# Allegro board LAY-27392_C.brd (continued)
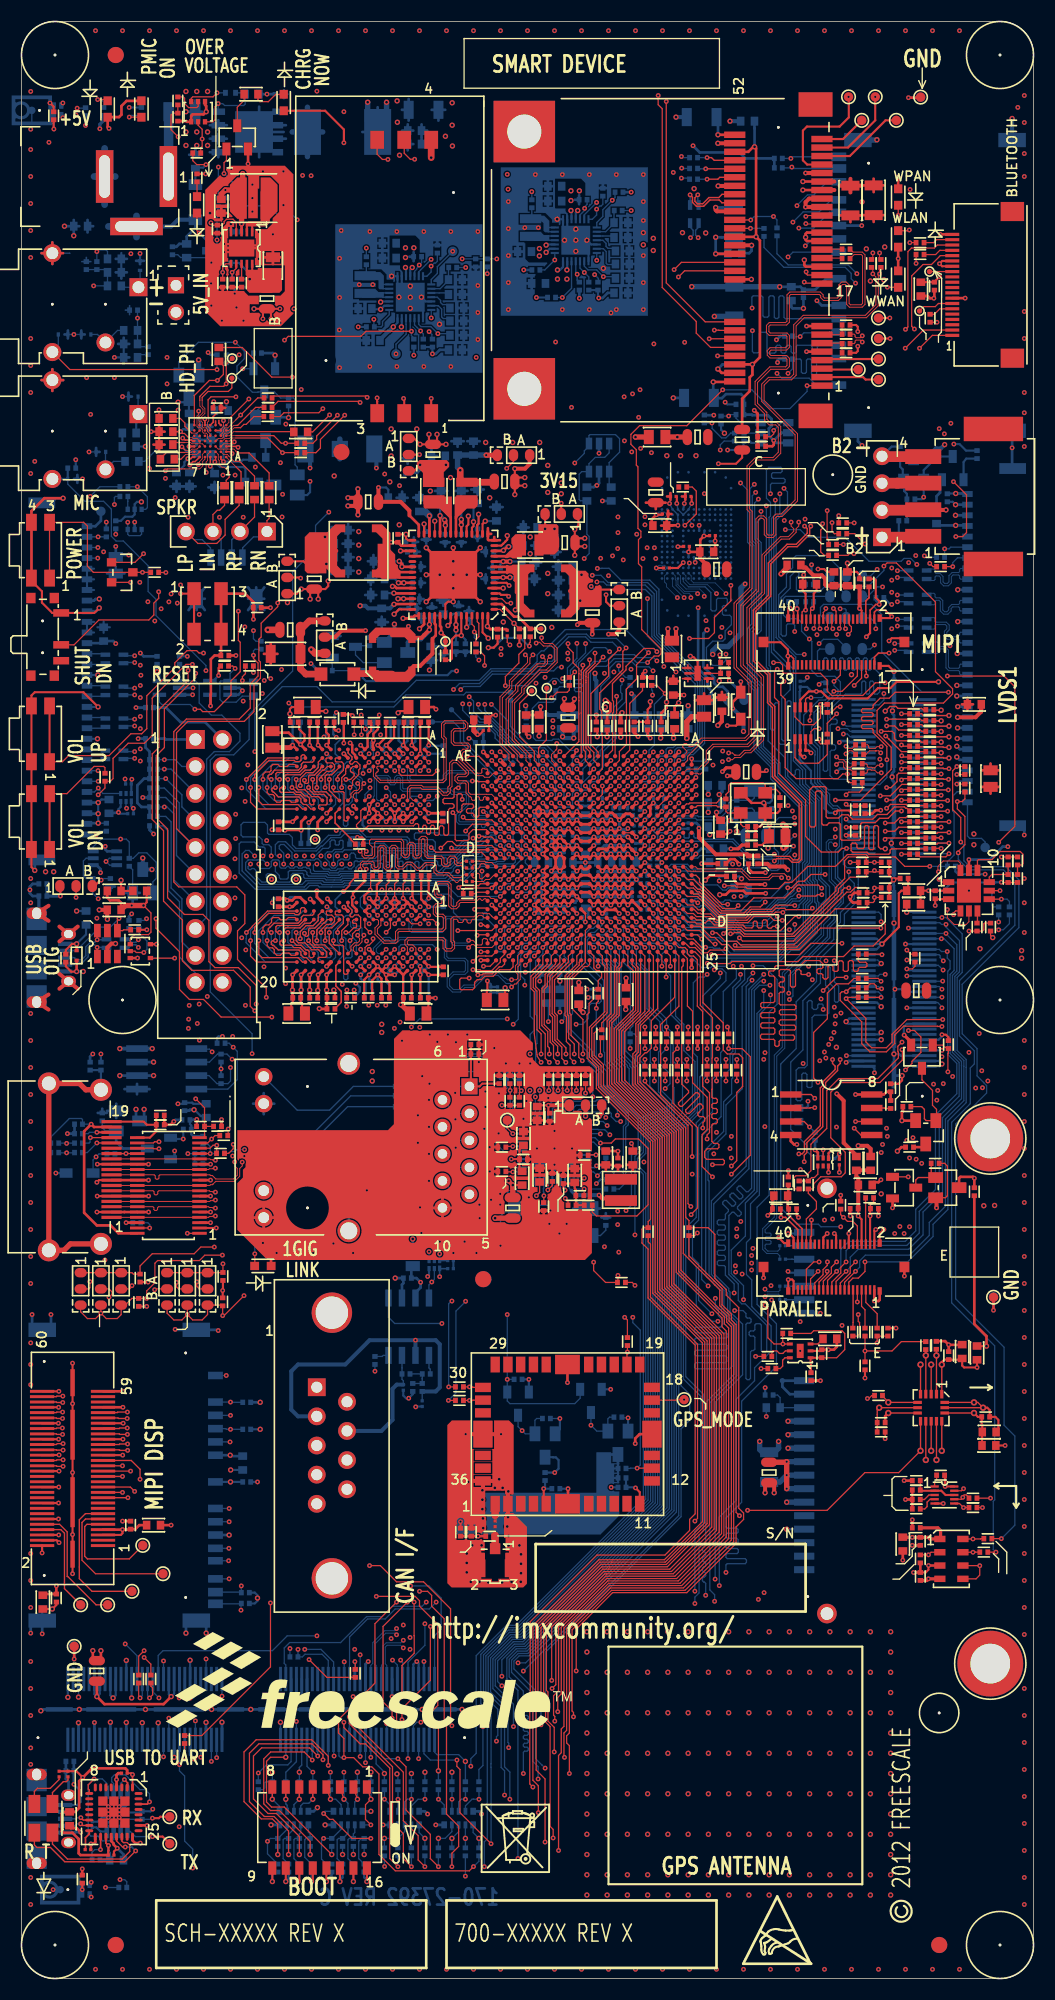
[diagram p0: board, top side]
## Routing (per net, layer and track width the routed paths; a pad name or vN(x,y) marks a point on that pad's centre or on a via; arc(x,y) is an arc through that point) (continued)
CSI_D1M: length 34
  TOP w0.094: J5.18 77.05,127.11 v1(76.96,127.02) ; U1.D1 v1(61.07,115.41)
  L6_INT_2 w0.097: v1(61.07,115.41) 60.88,115.41 60.76,115.54 60.76,115.8 60.96,116 61.51,116 61.98,116.46 61.98,117.27 61.93,117.32 61.44,117.32 61.19,117.57 61.19,117.92 61.44,118.17 62.52,118.17 62.75,117.94 62.75,117.62 62.85,117.53 63.04,117.53 63.14,117.62 63.14,117.94 63.37,118.17 64.58,118.17 65.24,117.5 66.58,117.5 66.8,117.72 66.8,117.73 67.18,118.11 68.6,118.11 68.83,117.88 68.83,117.6 68.93,117.5 69.12,117.5 69.22,117.6 69.22,117.88 69.45,118.11 69.83,118.11 70.06,117.88 70.06,117.6 70.16,117.5 70.35,117.5 70.45,117.6 70.45,117.88 70.68,118.11 72.26,118.11 73.77,119.62 74.06,119.62 74.93,120.49 75.66,120.49 75.84,120.67 75.84,122.29 76.38,122.82 76.38,123.07 76.28,123.17 75.28,123.17 75.03,123.41 75.03,123.76 75.28,124.01 76.28,124.01 76.38,124.11 76.38,124.71 77.14,125.47 77.14,125.65 76.89,125.91 76.89,126.06 77.14,126.31 77.14,126.84 v1(76.96,127.02)
CSI_D1P: length 34
  TOP w0.094: J5.16 77.45,127.09 v1(77.55,127) ; v1(61.07,114.61) U1.D2
  L6_INT_2 w0.097: v1(77.55,127) 77.37,126.82 77.37,125.37 76.61,124.61 76.61,124.01 76.38,123.78 75.37,123.78 75.26,123.67 75.26,123.51 75.37,123.39 76.38,123.39 76.61,123.16 76.61,122.73 76.07,122.19 76.07,120.58 75.75,120.26 75.03,120.26 74.16,119.39 73.86,119.39 72.35,117.88 70.77,117.88 70.67,117.78 70.67,117.5 70.44,117.27 70.06,117.27 69.83,117.5 69.83,117.78 69.73,117.88 69.54,117.88 69.45,117.78 69.45,117.5 69.22,117.27 68.83,117.27 68.6,117.5 68.6,117.78 68.51,117.88 67.28,117.88 67.03,117.63 67.03,117.63 66.67,117.27 65.15,117.27 64.49,117.94 63.46,117.94 63.37,117.84 63.37,117.53 63.14,117.3 62.76,117.3 62.52,117.53 62.52,117.84 62.43,117.94 61.53,117.94 61.42,117.82 61.42,117.66 61.53,117.55 62.02,117.55 62.2,117.37 62.2,116.37 61.46,115.62 61.46,115.46 61.45,115.45 61.45,115.25 61.07,114.87 v1(61.07,114.61)
CSI_I2C_EN: length 3.2
  TOP w0.119: U10.6 73.78,120.37 73.94,120.52 v1(74.3,120.52)
  BOTTOM w0.119: SH501.2 75.67,121.16 75.56,121.06 75.56,120.75 75.34,120.52 v1(74.3,120.52)
CSI_MCLK: length 91
  TOP w0.119: v1(82.85,87.4) 82.85,87.36 82.89,87.32 82.89,86.42 80.78,84.31 77.06,84.31 76.15,83.4 76.15,79.12 77.52,77.75 77.52,75.82 77.15,75.44 75.22,75.44 74.55,74.78 74.55,74.42 74.43,74.3 R159.1 74.04,73.89 74.8,73.12 74.8,72.42 73.85,71.47 J9.34 ; v1(87.12,122.55) 92.46,122.55 93.47,121.54 93.47,108.43 v1(91.95,106.91) ; J5.34 v1(73.85,127)
  L3_INT_1 w0.114: v1(87.12,122.55) 85.6,124.08 85.44,124.11 84.67,124.11 84.5,124.08 75.95,124.08 74.66,125.36 74.66,126.08 74.47,126.28 74.47,126.39 v1(73.85,127)
  L6_INT_2 w0.114: v1(91.95,106.91) 91.95,105.83 91.82,105.69 91.82,105.37 91.87,105.33 91.87,103.4 91.67,103.2 91.67,100.28 92.34,99.61 92.34,97.63 89.83,95.12 89.83,94.97 88.99,94.13 88.99,93.95 88.54,93.51 88.54,90.88 86.86,89.2 85.25,89.2 83.45,87.4 v1(82.85,87.4)
CSI_PIXCLK: length 3.6
  TOP w0.127: R180.2 78.25,61.74 J9.11
CSI_PWN: length 55.3
  TOP w0.119: v1(76.46,122.05) 77.05,122.64 J5.17
  TOP w0.178: U1.E19 v1(60.27,100.21)
  L6_INT_2 w0.114: v1(72.26,92.12) 71.26,92.12 71.09,91.95 69.84,91.95 68.2,93.6 63.37,93.6 60.68,96.29 60.68,99.72 60.27,100.13 v1(60.27,100.21)
  BOTTOM w0.119: v1(76.46,122.05) 76.46,121.66 76.84,121.28 76.84,120.95 76.61,120.72 76.43,120.72 75.57,119.87 75.57,119.72 75.35,119.49 74.93,119.49 74.58,119.14 74.58,118.02 74.35,117.78 74.35,116.26 74.91,115.7 74.91,112.57 76.05,111.43 76.05,110.67 76.38,110.34 76.78,110.34 77.19,109.93 77.19,106.44 76.81,106.05 76.81,103.64 77.34,103.11 77.34,101.21 76.69,100.57 76.69,99.55 76.06,98.92 76.06,97.93 72.59,94.46 72.59,92.45 v1(72.26,92.12)
CSI_REXT: length 2.6
  TOP w0.178: U1.D4 v1(61.07,113.01)
  BOTTOM w0.119: v1(61.07,113.01) 61.32,113.01 61.71,113.4 62.38,113.4 62.74,113.77 R605.1
CSI_RST_B: length 54.6
  TOP w0.119: J5.9 78.65,122.55 77.21,121.11 v1(76.45,121.11)
  TOP w0.178: U1.D20 v1(61.07,99.41)
  L6_INT_2 w0.114: v1(72.2,92.71) 71.54,92.71 71,92.17 69.93,92.17 68.29,93.81 63.46,93.81 61.48,95.8 61.48,98.75 61.07,99.16 v1(61.07,99.41)
  BOTTOM w0.119: v1(72.2,92.71) 72.2,94.38 75.84,98.02 75.84,99.01 76.47,99.64 76.47,100.66 77.12,101.3 77.12,103.02 76.59,103.54 76.59,106.14 76.97,106.53 76.97,109.84 76.74,110.07 76.34,110.07 75.83,110.58 75.83,111.34 74.65,112.51 74.65,115.12 74.68,115.15 74.68,115.48 73.61,116.55 73.61,118.87 75.03,120.29 75.63,120.29 76.16,120.82 76.16,120.82 v1(76.45,121.11)
CSI_SCL: length 9.8
  TOP w0.119: v1(75.06,117.6) 74.57,117.6 74.28,117.31 U10.4 ; J5.7 79.05,122.36 v1(78.36,121.67)
  L6_INT_2 w0.114: v1(75.06,117.6) 76.07,117.6 77.42,118.95 77.42,120.3 77.81,120.69 77.81,121.12 v1(78.36,121.67)
CSI_SDA: length 9.9
  TOP w0.119: U10.5 74.28,118.95 74.19,118.86 v1(74.19,118.36) ; v1(79.5,122.55) 79.5,122.94 79.45,122.98 J5.5
  L6_INT_2 w0.114: v1(79.5,122.55) 79,122.05 78.2,122.05 77.6,121.45 77.6,120.78 76.58,119.76 76.58,119.51 75.44,118.36 v1(74.19,118.36)
CSPI1_CLK: length 59
  TOP w0.119: U1.W5 v1(49.07,111.41)
  L3_INT_1 w0.114: v1(49.28,122.42) 49.55,122.15 49.55,121.92 50.27,121.2 50.27,120.34 49.61,119.68 49.61,117.5 49.99,117.12 v1(50.01,117.12)
  L6_INT_2 w0.114: v1(50.01,117.12) 50.44,116.7 50.44,116.7 50.67,116.47 50.67,116.46 51.06,116.07 51.06,114.95 51.85,114.16 51.85,113.65 51.63,113.42 51.31,113.42 51.05,113.17 51.05,112.85 50.83,112.62 50.51,112.62 50.25,112.37 50.25,112.05 50.03,111.82 49.59,111.82 49.18,111.41 v1(49.07,111.41) ; v1(49.28,122.42) 50.22,122.42 50.72,121.92 55.75,121.92 56.26,121.41 57.63,121.41 57.91,121.13 57.91,120.14 58.09,119.96 58.62,119.96 58.77,120.11 58.77,121.15 59.03,121.41 60.86,121.41 61.12,121.15 61.12,119.53 61.24,119.41 62.15,119.41 62.28,119.53 62.28,120.25 62.15,120.37 62.15,120.37 61.93,120.6 61.93,121.28 62.05,121.41 62.48,121.41 63.02,120.88 63.02,120.37 63.2,120.19 63.2,119.5 63.31,119.38 65.13,119.38 65.26,119.51 65.26,120.13 65.37,120.24 65.6,120.24 65.71,120.13 65.71,120.11 65.83,120 66.06,120 66.17,120.11 66.17,120.13 66.29,120.24 66.51,120.24 66.63,120.13 66.63,120.11 66.74,120 66.97,120 67.09,120.11 67.09,120.13 67.2,120.24 67.43,120.24 67.54,120.13 67.54,119.58 67.67,119.46 67.87,119.46 68,119.58 68,120.13 68.11,120.24 68.88,120.24 69.11,120.47 72.08,120.47 73.15,121.54 73.15,124.69 74.07,125.6 v1(75.06,125.6)
  BOTTOM w0.119: v1(75.06,125.6) 75.46,126.01 76.81,126.01 77.6,125.22 R590.2
CSPI1_CS0: length 60.4
  TOP w0.178: U1.U6 v1(50.67,111.41)
  L3_INT_1 w0.114: v1(50.01,118.36) 50.02,118.37 50.02,118.87 49.83,119.06 49.83,119.51 50.63,120.31 50.63,121.47 v1(50.16,121.94)
  L6_INT_2 w0.114: v1(50.01,118.36) 50.9,117.47 51.18,117.47 51.56,117.1 51.56,116.33 51.89,116 52.34,116 52.87,115.47 52.87,113.56 52.65,113.34 52.65,112.85 52.43,112.62 52.11,112.62 51.85,112.37 51.85,112.05 51.63,111.82 51.13,111.82 50.72,111.41 v1(50.67,111.41) ; v1(50.16,121.94) 50.16,121.93 50.38,121.71 55.58,121.71 58.19,119.1 68.05,119.1 69.19,120.25 70.68,120.25 70.68,120.25 72.24,120.25 73.37,121.37 73.37,124.29 v1(73.66,124.59)
  BOTTOM w0.119: R583.2 77.6,132.08 75.79,133.88 72.9,133.88 72.57,133.55 72.57,132.74 71.98,132.16 71.98,130.93 71.25,130.2 71.25,126.26 72.92,124.59 v1(73.66,124.59)
CSPI1_MISO: length 59
  TOP w0.178: U1.U7 v1(49.87,110.61)
  L6_INT_2 w0.114: v1(56.52,122.17) 56.93,122.17 57.06,122.05 62.61,122.05 63.98,120.68 68.64,120.68 68.91,120.94 71.92,120.94 72.64,121.67 72.64,124.82 72.54,124.92 72.07,124.92 71.96,125.03 71.96,125.18 72.07,125.29 72.89,125.29 73,125.4 73,125.55 72.89,125.66 72.07,125.66 71.96,125.77 71.96,125.92 72.07,126.03 72.61,126.03 72.76,126.18 v1(72.76,126.74)
  BOTTOM w0.119: v1(49.87,110.61) 50.26,110.22 51.63,110.22 51.86,110.45 51.86,111.55 52.13,111.82 52.52,111.82 52.68,111.98 52.68,112.37 52.91,112.6 52.91,112.6 53.47,113.16 53.47,114.05 54.46,115.04 54.46,115.54 55.75,116.84 55.75,119.63 56.52,120.4 56.52,120.88 56.39,121.01 56.39,121.62 56.52,121.74 v1(56.52,122.17) ; R584.2 77.6,130.18 76.86,130.91 75.54,130.91 75.06,130.43 73.2,130.43 72.92,130.71 72.92,131.8 73.15,132.03 73.15,132.23 72.99,132.4 72.81,132.4 72.34,131.93 72.34,130.81 71.48,129.95 71.48,126.47 71.63,126.31 71.86,126.31 71.98,126.44 71.98,127.33 72.11,127.46 72.64,127.46 72.76,127.33 v1(72.76,126.74)
CSPI1_MOSI: length 58.7
  TOP w0.178: U1.V6 v1(49.87,111.41)
  L3_INT_1 w0.114: v1(50.93,122.31) 51.59,121.65 51.59,119.76 51.46,119.63 50.35,119.63 50.22,119.51 50.22,119.25 50.35,119.13 51.41,119.13 51.59,118.95 51.59,117.47 51.47,117.35 51.3,117.35 51.17,117.47 51.17,118.37 51.05,118.49 50.83,118.49 50.71,118.36 50.71,117.85 50.58,117.73 v1(50.01,117.73)
  L6_INT_2 w0.114: v1(50.93,122.31) 51.1,122.14 55.91,122.14 56.39,121.67 57.07,121.67 57.24,121.83 57.53,121.83 57.7,121.67 57.99,121.67 58.15,121.83 58.44,121.83 58.61,121.67 58.9,121.67 59.07,121.83 59.36,121.83 59.52,121.67 59.82,121.67 59.98,121.83 60.27,121.83 60.44,121.67 60.73,121.67 60.9,121.83 61.19,121.83 61.35,121.67 62.61,121.67 63.82,120.46 68.79,120.46 69.02,120.68 71.99,120.68 72.9,121.59 72.9,124.79 73.36,125.25 73.36,127.13 73.2,127.28 72.54,127.28 72.42,127.41 72.42,127.58 72.54,127.71 74.24,127.71 74.78,128.25 76.86,128.25 77.04,128.43 v1(77.04,128.88) ; v1(49.87,111.41) 49.94,111.41 50.35,111.82 50.83,111.82 51.05,112.05 51.05,112.37 51.31,112.62 51.63,112.62 51.85,112.85 51.85,113.17 52.11,113.42 52.43,113.42 52.65,113.65 52.65,114.77 52.29,115.14 52.11,115.14 51.34,115.9 51.34,117.01 51.1,117.25 50.49,117.25 v1(50.01,117.73)
  BOTTOM w0.119: v1(77.04,128.88) 77.49,128.88 77.6,128.77 R586.2
DACDAT1: length 7.3
  TOP w0.076: U7.D1 19.6,144.65 19.89,144.95 20.19,144.95
  TOP w0.119: R18.2 v1(24.57,143.56) 23.19,144.95 20.19,144.95
DBG_OUT_3V3: length 1.9
  TOP w0.171: C126.1 6.04,12.18 6.04,13.27 6.39,13.62 U22.16
DBG_RXLED: length 4.2
  TOP w0.127: D12.1 1.24,17.62 1.53,17.91 2.73,17.91 3.56,18.74 R206.2
DBG_TXLED: length 3.3
  TOP w0.127: D12.3 2.93,17.52 3.96,18.54 4.24,18.54 4.4,18.7 R207.2
DBUG_5V: length 25.9
  TOP w0.171: U22.1 v1(10.47,19.2) 10.33,19.34 C125.1 ; v1(8.2,12.53) 7.96,12.77 U22.19
  TOP w0.203: v1(5.79,18.93) 5.19,19.53 R207.1 R206.1 ; v1(8.2,12.53) 8.2,12.05 8.19,12.04 C127.1
  TOP w0.254: C125.1 9.96,19.62 9.8,19.79 6.64,19.79 v1(5.79,18.93) 5.44,18.59 5.44,16.07 5.07,15.7 L24.1 4.53,15.68 3.94,15.68 3.81,15.55 3.81,13.85 3.94,13.73 4.82,13.73 5.4,13.14 5.4,11.8 5.57,11.63 C127.1
  BOTTOM w0.254: C768.1 8.32,11.83 8.2,11.95 v1(8.2,12.53)
  BOTTOM w0.305: R711.1 8.29,11.18 C768.1
DBUG_RST: length 2.8
  TOP w0.171: v1(7.45,12.15) 7.46,12.16 U22.18
  BOTTOM w0.119: R711.2 6.66,11.62 6.65,11.63 6.65,11.89 6.92,12.15 v1(7.45,12.15)
DBUG_SHL_GND: length 14.9
  L6_INT_2 w0.381: J509.S3 J509.S1 J509.S2 J509.S4
  BOTTOM w0.254: J509.S2 4.45,17.27 4.45,18.54 4.2,18.79 R677.1 C766.1
DBUG_USB_DM: length 2.4
  TOP w0.135: U22.15 5.72,14.43 v1(5.58,14.57)
  BOTTOM w0.135: v1(5.58,14.57) 5.2,14.57 5.03,14.39 J509.2
DBUG_USB_DP: length 2.4
  TOP w0.135: v1(5.61,15.15) 5.61,15.15 5.83,14.93 U22.14
  BOTTOM w0.135: v1(5.61,15.15) 5.24,15.15 5.13,15.04 J509.3
DBUG_VBUS: length 2.8
  TOP w0.254: L24.2 4.54,14.3 4.67,14.17 5.21,14.17 v1(5.59,13.79)
  BOTTOM w0.254: J509.1 4.99,13.74 5.03,13.79 v1(5.59,13.79)
DDR_1V5: length 194.9
  TOP w0.119: v1(32.73,109.65) 32.33,109.24 U3.H9
  TOP w0.127: v1(34.33,101.64) 34.33,102.88 34.58,103.13 C57.1 ; C58.1 36.1,103.17 35.92,103 v1(35.92,101.65)
  TOP w0.203: v1(43.85,93.87) 43.85,93.03 43.8,92.98 C77.1 ; C35.1 28.09,119.25 28.65,119.25 v2(28.65,119.23) ; SH12.1 25.91,130.3 v2(26.34,130.73) R25.2 ; v1(26.33,108.04) v1(24.82,108.04) ; C78.1 26.42,91.08 26.42,91.69 26.29,91.82 C70.1 ; v1(42.93,117.05) 43.14,117.05 43.46,117.37 C48.1 ; R25.2 27.18,130.35 v2(27.18,129.79) ; R25.2 28.6,130.73 28.88,131.01 v2(28.88,131.5) ; R25.2 27.94,130.35 v2(27.94,129.79)
  TOP w0.216: v1(29.85,117.43) 29.56,117.43 29.43,117.55 C43.1 ; v1(33.53,116.05) 33.55,116.05 34.32,116.82 C45.1 ; C73.1 33.01,93.93 v1(33.53,94.44) 33.89,94.08 C74.1 ; v1(37.53,94.44) 37.55,94.42 C76.1 ; C41.1 26.14,118.13 26.14,117.55 26.65,117.04 26.65,116.48 v1(26.27,116.1) ; v1(30.35,116.24) 30.35,118.07 C37.1 ; C44.1 37.53,118.17 v1(37.53,115.25) ; C53.1 24.32,108.04 v1(24.82,108.04) ; v1(38.33,95.24) 38.38,95.19 C67.1 ; C42.1 27.88,116.09 v1(27.93,116.04) ; 35.93,94.44 35.93,92.37 C75.1 35.98,92.24 35.98,91.97 35.69,91.68 v2(35.69,91.63) ; U2.A1 37.62,101.55 37.62,102.58 C59.1 ; v1(35.93,116.05) 36,116.11 C46.1
  TOP w0.229: v1(32.73,109.65) 32.73,109.88 32.73,109.88 32.73,110.21 32.73,110.21 v1(32.73,110.45) ; v1(37.53,94.44) v1(37.53,95.24)
  TOP w0.254: v1(32.73,100.84) U2.H2 v1(32.73,100.04) ; v1(37.53,115.25) 37.13,114.84 U3.B2 ; U2.G7 v1(32.73,96.84) ; U1.R18 v1(51.47,101.01) U1.T18 v1(50.67,101.01) U1.U18 v1(49.87,101.01) U1.V18 ; C49.1 23.64,117.35 23.9,117.35 24.03,117.22 25.15,117.22 v1(26.27,116.1) U3.R1 ; v1(26.33,108.04) 26.33,108.84 U3.R9 ; U3.G7 33.13,110.84 v1(32.73,110.45) ; U2.A8 v1(38.33,95.24) ; U8.30 35.74,134.82 C24.1 v1(34.8,135.13) ; U3.N1 v1(27.93,116.04) ; U3.A8 37.93,110.05 v1(38.33,109.65) 39.66,109.65 C52.1 ; 35.53,109.24 v1(35.93,109.65) 36.33,109.25 U3.C9 ; 35.53,109.24 U3.D9 ; 35.53,109.24 35.54,109.24 v1(35.93,108.85) 36.33,109.24 U3.C9 ; U3.C1 36.33,115.65 v1(35.93,116.05) ; U2.H9 v1(31.93,95.24) ; v1(49.07,109.01) 49.47,108.61 U1.V9 v1(49.07,108.21) U1.V10 v1(49.07,107.41) U1.V11 v1(49.07,106.61) U1.V12 v1(49.07,105.81) U1.V13 ; U3.A1 37.94,115.64 v1(38.33,115.25) ; v1(30.35,115.24) 30.45,115.14 30.45,115.12 U3.K2 ; U3.C9 36.33,109.24 v1(36.73,109.65) ; C70.1 26.33,92.32 v2(26.33,93.01) v1(26.33,94.44) U2.R9 ; v1(27.81,102.34) 27.81,101.76 U2.N1 ; U2.K8 v1(31.13,95.24) ; v1(38.33,100.84) U2.A1 ; U2.R1 26.24,101.73 25.78,101.73 25.5,101.45 v1(25.01,101.45) 24.86,101.6 C64.1 ; v1(49.07,101.01) U1.V18 ; U1.V18 v1(49.07,101.81) 49.47,102.21 U1.V17 v1(49.07,102.61) U1.V16 v1(49.07,103.41) U1.V15 v1(49.07,104.21) U1.V14 ; U2.N9 v1(27.93,94.44) 27.93,93.01 v2(27.89,92.98) C71.1 ; v1(33.53,116.05) 33.93,115.65 U3.F1 ; v1(39.01,119.43) 38.81,119.63 C36.1 ; U2.E9 v1(35.13,95.24) U2.D9 35.93,94.44 U2.C9 ; v1(30.35,100.82) 30.72,100.44 U2.K2 ; v1(27.89,108.08) 27.89,108.81 U3.N9 ; U2.C1 v1(35.92,101.65) ; U2.C1 v1(36.73,100.84) U2.B2 ; U2.C1 35.93,100.84 v1(35.93,100.84) U2.D2 ; v1(34.33,108.85) 34.73,109.24 U3.E9 ; U3.K8 v1(31.13,109.64) ; U3.H2 31.93,115.24 v1(31.92,115.24) ; U3.D2 35.53,114.85 v1(35.13,115.25) ; U2.F1 v1(34.33,101.64)
  TOP w0.457: v2(35.69,91.63) 35.75,91.63 36.56,90.82 C79.1 ; C38.1 42.57,117.41 v1(42.93,117.05)
  L3_INT_1 w0.508: v2(27.94,129.79) 28.88,130.73 v2(28.88,131.5) 28.88,132.13 30.99,134.24 33.91,134.24 v1(34.8,135.13)
  L3_INT_1 w0.635: v2(27.94,129.79) v2(27.18,129.79)
  L6_INT_2 w0.254: v1(31.47,93.65) 31.13,93.99 v1(31.13,95.24) ; v1(30.35,115.24) v1(30.35,116.24)
  BOTTOM w0.119: U5.H2 32.33,110.04 ; 32.33,110.04 32.34,110.04 v1(32.73,109.65) ; 32.33,110.04 v1(32.73,110.45) ; v1(35.93,100.84) U4.D9 35.53,101.26 v1(35.92,101.65) 36.33,101.24 U2.C1 ; C71.1 v2(27.89,92.98)
  BOTTOM w0.203: 37.93,114.84 v1(38.33,115.25) 39.7,115.25 C620.1 ; U3.R9 26.33,108.84 v1(26.33,108.04) 26.33,106.83 C666.1 ; C727.1 C728.1 44.17,93.55 v1(43.85,93.87)
  BOTTOM w0.216: C733.1 33.91,92.36 33.91,93.6 33.53,93.98 v1(33.53,94.44) ; v2(35.69,91.63) 35.69,91.7 35.98,91.99 35.98,92.24 C75.1 35.93,92.37 35.93,94.44 U2.C9 ; C76.1 37.53,92.37 v1(37.53,94.44) ; v1(31.47,93.65) 31.85,93.27 31.85,92.86 31.36,92.37 C737.1 ; v1(38.33,100.84) C718.1 ; C613.1 27.93,118.12 v1(27.93,116.04) ; C614.1 v1(26.27,116.1) ; C617.1 32.46,118.09 32.46,117.65 v1(32.38,117.57) ; C615.1 36.33,116.44 v1(35.93,116.05) 35.5,116.48 C616.1
  BOTTOM w0.254: 48.93,108.61 48.93,108.88 v1(49.07,109.01) ; 48.93,108.61 48.93,108.34 v1(49.07,108.21) 48.93,108.08 48.93,107.81 ; 48.93,108.61 C650.1 ; U2.K8 v1(31.13,95.24) ; C675.1 48.93,106.21 ; 48.93,106.21 48.93,106.48 v1(49.07,106.61) ; 48.93,106.21 48.93,105.94 v1(49.07,105.81) 49.6,105.28 C683.1 49.6,104.74 v1(49.07,104.21) v1(49.07,103.41) 48.93,103.28 48.93,103.01 ; C708.1 48.93,102.21 ; 48.93,102.21 48.93,102.48 v1(49.07,102.61) 48.93,102.74 48.93,103.01 ; 48.93,102.21 48.93,101.94 v1(49.07,101.81) 48.93,101.68 48.93,101.41 ; v1(49.07,107.41) 48.93,107.54 48.93,107.81 ; v1(49.07,107.41) 49.39,107.09 C664.1 49.39,106.93 v1(49.07,106.61) ; v1(49.07,107.41) 48.93,107.28 C665.1 48.93,106.74 v1(49.07,106.61) ; U5.A1 37.93,109.24 v1(38.33,109.65) 39.58,109.65 C647.1 ; 48.93,103.01 C696.1 ; U2.K2 30.72,100.44 v1(30.35,100.82) ; U3.K8 v1(31.13,109.64) ; 48.93,107.81 C662.1 ; 48.93,101.41 C715.1 ; 48.93,101.41 48.93,101.14 49.2,100.88 C722.1 49.73,100.88 v1(49.87,101.01) 50,100.88 C721.1 50.53,100.88 v1(50.67,101.01) 50.8,100.88 C720.1 51.33,100.88 v1(51.47,101.01) ; U4.H2 v1(31.93,95.24) ; v1(34.33,108.85) 33.94,109.24 U5.F1 ; v1(27.89,108.08) 27.89,108.81 U3.N9 ; U5.A8 37.93,114.85 v1(37.53,115.25) ; v1(42.93,117.05) 42.94,117.06 42.94,117.47 43.05,117.59 C619.1 ; U4.E9 v1(34.33,101.64) ; U4.A1 v1(37.53,95.24) U4.B2 ; U4.A1 v1(37.53,94.44) ; U4.A1 v1(38.33,95.24) ; v1(32.73,113.65) 33.13,114.04 U5.G7 ; U3.C9 36.33,109.24 v1(35.93,108.85) ; U3.C9 36.33,109.25 v1(35.93,109.65) 35.54,110.04 U5.D2 ; U3.C9 36.33,109.24 v1(36.73,109.65) 37.13,110.04 U5.B2 ; v1(31.92,115.24) 32.32,115.64 U5.H9 32.33,115.64 32.56,115.87 32.56,117.38 v1(32.38,117.57) ; v1(35.93,100.84) U2.C1 v1(36.73,100.84) ; v1(27.81,102.34) 27.81,101.76 U2.N1 ; U4.G7 v1(32.73,100.04) ; v1(32.73,100.84) U4.H9 ; U4.F1 v1(33.53,94.44) ; v1(25.01,101.45) 25.31,101.74 26.23,101.74 U2.R1 ; U4.A8 v1(38.33,100.84) ; v1(30.35,115.24) 30.75,114.84 U3.K2 ; C70.1 26.33,92.32 v2(26.33,93.01) ; v1(26.27,116.1) U3.R1 ; v1(35.13,95.24) U4.D2 ; v1(27.93,116.04) U3.N1
  BOTTOM w0.305: U3.C1 36.33,115.65 v1(35.93,116.05) 35.53,115.64 U5.D9 35.53,115.64 v1(35.13,115.25) 34.74,115.64 U5.E9 ; v2(26.33,93.01) v1(26.33,94.44) U2.R9 ; U2.N9 v1(27.93,94.44)
DDR_FB: length 12.4
  TOP w0.203: v1(26.28,131.76) 26.37,131.76 26.37,131.78 26.31,131.83 25.02,131.83
  TOP w0.254: v2(34.92,130.99) 34.94,131 35.12,131 35.3,130.82 U8.38
  L6_INT_2 w0.203: v1(26.28,131.76) 27.42,131.76 28.19,130.99 v2(34.92,130.99)
DDR_SDCLK0: length 2.5
  TOP w0.094: U1.AD15 44.45,103.81 44.05,103.41 43.69,103.41 43.5,103.23 SH21.1
DDR_SDCLK0_B: length 2.5
  TOP w0.094: SH20.1 42.43,103.66 42.53,103.56 42.73,103.56 42.81,103.64 42.81,103.89 42.9,103.99 43.02,103.99 43.13,103.87 43.13,103.56 43.21,103.48 43.36,103.48 43.69,103.81 U1.AE15
DDR_SDCLK1: length 2.5
  TOP w0.094: U1.AD14 44.27,105.01 43.7,105.01 43.58,105.13 43.13,105.13 43.1,105.16 42.82,105.16 42.8,105.13 SH18.1
DDR_SDCLK1_B: length 2.3
  TOP w0.094: U1.AE14 43.84,104.61 43.63,104.81 43.62,104.81 43.53,104.9 43.28,104.9 43.15,104.77 43.15,104.59 42.99,104.42 42.85,104.42 42.8,104.47 42.8,104.67 42.69,104.77 42.54,104.77 42.43,104.67 SH19.1
DDR_VREF: length 20.1
  TOP w0.119: v1(32.83,102.43) 32.87,102.46 32.87,103.58 C56.1
  TOP w0.203: v1(32.83,102.43) 32.69,102.29 32.69,102.28 32.42,102.01 32.42,102.01 32.27,101.87 32.27,101.3 U2.H1 ; U3.H1 v1(31.93,116.04)
  TOP w0.216: v2(29.4,93) 29.4,92.9 29.51,92.79 C72.1 ; U3.H1 32.59,115.9 32.59,117.07 32.91,117.4 32.91,117.88 32.91,117.88 32.91,118.09 C47.1
  TOP w0.254: U3.M8 v1(28.73,109.64) ; U8.31 v2(35.68,134.32)
  TOP w0.381: U2.M8 v1(28.73,95.24) ; U1.AC2 v1(45.07,114.61)
  BOTTOM w0.203: C570.1 36.24,134.32 v2(35.68,134.32) ; v1(32.84,108.03) 32.62,108.03 32.11,108.54 32.11,109.02 U5.H1
  BOTTOM w0.216: C618.1 28.71,117.05 v1(28.47,116.81) ; v1(31.93,94.44) 31.93,94.08 32.39,93.62 32.39,92.64 32.28,92.53 C734.1 ; v1(23.59,108.09) 23.6,108.08 C653.1 ; v1(23.61,101.22) 23.62,101.5 23.71,101.6 C717.1 ; C621.1 45.4,114.61 v1(45.07,114.61)
  BOTTOM w0.254: U5.M8 v1(28.73,115.24) ; U4.H1 v1(31.93,94.44)
  BOTTOM w0.305: U4.M8 v1(28.75,100.84)
DEC_3V3: length 4.3
  TOP w0.119: R197.2 C113.1
  TOP w0.203: C113.1 84.64,45.91 U20.2 86.55,45.91 86.95,45.51 U20.8
DEC_SCK: length 1.8
  TOP w0.119: R198.2 89.15,45.21 89.03,45.34 89.03,45.39 88.9,45.52 88.7,45.52 88.58,45.39 v1(88.58,45.29) 88.58,45.24 88.45,45.11 U20.7
DEC_SDA: length 1.5
  TOP w0.119: U20.6 88.26,44.71 v1(88.65,44.32) R200.2
DI0_D0_CS: length 81.2
  TOP w0.127: R132.1 v1(59.56,84.45)
  L3_INT_1 w0.114: v1(77.34,117.09) 77.32,117.12 77.32,117.53 79.81,120.02 82.8,120.02 86.13,116.69 86.13,116.17 86.37,115.93 86.6,115.93 87.1,115.43 88.66,115.43 89.03,115.06 89.03,106.3 89.56,105.77 89.56,100.43 87.76,98.63 87.76,98.3 86.92,97.46 86.77,97.46 85.79,96.48 85.79,85.15 v1(86.74,84.2)
  L6_INT_2 w0.114: v1(59.56,84.45) 59.56,83.74 60.2,83.11 70.54,83.11 71.37,83.94 75.05,83.94 76.21,82.78 82.04,82.78 83.89,84.63 85.9,84.63 86.33,84.2 v1(86.74,84.2)
  BOTTOM w0.127: J504.105 77.98,116.84 77.72,117.09 v1(77.34,117.09)
DI0_D1_CS: length 80.3
  TOP w0.119: R122.1 v1(59.69,87.5)
  L3_INT_1 w0.114: v1(86.61,86.74) 86.01,87.34 86.01,96.08 88.56,98.63 88.56,98.81 90.04,100.29 90.04,105.59 90.35,105.89 90.35,116.28 88.38,118.25 87.28,118.25 86.6,118.93 86.37,118.93 84.84,120.45 79.04,120.45 76.83,118.24 v1(76.83,117.6)
  L6_INT_2 w0.114: v1(86.61,86.74) 84.66,86.74 84.24,86.32 82.68,86.32 82.25,85.89 79.39,85.89 78.88,85.38 69.18,85.38 67.56,86.99 65.48,86.99 64.97,87.5 64.97,87.66 64.74,87.89 60.08,87.89 v1(59.69,87.5)
  BOTTOM w0.119: J504.107 77.99,117.34 77.72,117.6 v1(76.83,117.6)
DI0_PIN2: length 93.2
  TOP w0.119: U1.N25 53.47,95.42 53.27,95.23 52.98,95.23 51.82,94.06 51.82,91.26 52.84,90.24 v1(52.84,86.99)
  TOP w0.127: R41.1 v1(82.8,119)
  L3_INT_1 w0.114: v1(85.83,84.16) 85.4,84.58 85.4,84.93 85.36,84.97 85.36,96.73 85.95,97.33 85.95,98.17 86.59,98.81 86.59,99.29 86.49,99.39 86.08,99.39 85.95,99.52 85.95,100.09 86.58,100.71 86.58,100.76 86.59,100.76 86.59,100.99 86.74,101.14 87.1,101.14 87.22,101.27 87.22,101.85 87.35,101.98 87.68,101.98 87.81,101.85 87.81,101.22 87.59,101 87.59,100.85 87.72,100.72 87.92,100.72 88.19,100.99 88.19,102.29 88.07,102.4 87.78,102.4 87.66,102.52 87.66,102.74 87.78,102.86 88.14,102.86 88.27,102.99 88.27,103.19 88.14,103.32 87.78,103.32 87.66,103.43 87.66,103.66 87.78,103.77 88.14,103.77 88.27,103.9 88.27,104.1 88.14,104.23 87.78,104.23 87.66,104.34 87.66,104.79 87.66,104.81 87.78,104.92 88.14,104.92 88.27,105.05 88.27,105.25 88.14,105.38 87.78,105.38 87.66,105.49 87.66,106 87.21,106.45 87.11,106.45 86.78,106.78 85.85,106.78 85.69,106.94 85.69,116.11 v1(82.8,119)
  L6_INT_2 w0.114: v1(52.84,86.99) 53.66,86.99 54.07,86.58 55.63,85.02 57.5,85.02 59.63,82.89 70.7,82.89 71.53,83.72 74.96,83.72 76.12,82.56 82.13,82.56 83.98,84.42 85.33,84.42 85.58,84.16 v1(85.83,84.16)
DI0_PIN3: length 94.7
  TOP w0.119: U1.N20 v1(53.87,99.41)
  TOP w0.127: R44.1 v1(82.8,117.98)
  L3_INT_1 w0.114: v1(80.77,114.73) 80.35,114.31 80.35,113.96 78.46,112.06 78.46,101.53 77.13,100.2 77.13,100.2 74.46,97.53 74.46,94.02 v1(74.42,93.98)
  L6_INT_2 w0.114: v1(74.42,93.98) 74.12,93.98 73.38,93.24 73.38,91.78 72.69,91.09 69.25,91.09 67.82,92.51 62.76,92.51 61.85,93.41 60.2,93.41 59.82,93.79 59.82,94.35 59.36,94.81 59.36,95.35 59.03,95.68 55.45,95.68 54.28,96.85 54.28,96.93 54.25,96.95 54.25,97.97 53.87,98.36 v1(53.87,99.41) ; v1(80.77,114.73) 80.16,114.73 79.96,114.94 79.96,119.89 80.47,120.4 81.53,120.4 81.71,120.57 81.71,122.2 81.94,122.43 83.74,122.43 84.1,122.07 84.1,116.54 84.28,116.36 85.24,116.36 85.37,116.48 85.37,116.73 85.26,116.84 84.62,116.84 84.51,116.95 84.51,117.18 84.62,117.3 85.26,117.3 85.37,117.41 85.37,117.64 85.26,117.75 84.62,117.75 84.51,117.87 84.51,118.1 84.62,118.21 85.26,118.21 85.37,118.33 85.37,118.55 85.26,118.67 84.62,118.67 84.51,118.78 84.51,119.01 84.62,119.13 85.26,119.13 85.37,119.24 85.37,120.5 85.5,120.62 85.72,120.62 85.85,120.5 85.85,116.2 85.68,116.03 83.84,116.03 83.67,116.2 83.67,120.29 83.54,120.42 83.36,120.42 83.24,120.29 83.24,118.08 83.13,117.98 v1(82.8,117.98)
DI0_PIN4: length 91.3
  TOP w0.119: U1.P25 52.49,95.63 52.49,95.36 51.37,94.24 51.37,90.72 51.5,90.6 51.5,88.45 52.02,87.93 v1(52.02,86.99)
  TOP w0.127: R42.1 84.71,118.36 84.58,118.49 v1(81.41,118.49)
  L3_INT_1 w0.114: v1(81.41,118.49) 82.93,118.49 85.47,115.95 85.47,107.82 85.48,107.82 85.48,106.85 87.45,104.88 87.45,102.4 86.37,101.32 86.37,100.8 85.72,100.16 85.72,97.44 85.14,96.86 85.14,84.88 85.19,84.84 85.19,84.1 85.72,83.56 85.72,83.5 86.13,83.09 v1(86.13,82.65)
  L6_INT_2 w0.114: v1(86.13,82.65) 85.55,82.07 84.51,82.07 84.44,82.13 75.94,82.13 74.78,83.29 71.79,83.29 70.96,82.46 59.45,82.46 57.32,84.59 55.45,84.59 54.06,85.97 52.62,85.97 52.39,86.2 52.39,86.62 v1(52.02,86.99)
DI0_PIN15: length 96.9
  TOP w0.119: v1(52.78,86.36) 52.45,86.69 52.45,88.01 51.72,88.74 51.72,90.69 51.6,90.81 51.6,94.15 53.07,95.62 53.07,96.14 53.07,98.61 U1.N21
  TOP w0.127: R40.1 84.84,119.38 84.71,119.51 82.48,119.51 82.29,119.69 81.72,119.69 v2(81.28,119.25)
  L3_INT_1 w0.114: v1(86.21,83.57) 86.23,83.59 86.23,84.33 85.62,84.94 85.62,85.02 85.58,85.06 85.58,96.61 86.17,97.2 86.17,98.06 86.83,98.73 87.12,98.73 88.53,100.14 88.53,106.13 87.43,107.23 87.27,107.23 86.54,107.95 86.38,107.95 85.91,108.42 85.91,116.48 82.63,119.76 81.79,119.76 v2(81.28,119.25)
  L6_INT_2 w0.114: v1(86.21,83.57) 86.01,83.77 85.67,83.77 85.24,84.2 84.07,84.2 82.22,82.35 76.03,82.35 74.87,83.51 71.7,83.51 70.87,82.68 59.54,82.68 57.41,84.8 55.54,84.8 53.98,86.36 v1(52.78,86.36)
